# Altium PCB HSADDAModule.PcbDoc (part 5 of 5)
Units mm, origin at the board's own origin, x right, y up, seen from the top; angles counter-clockwise.
Board outline 70 x 95 mm, 6 copper layers (L1 (Sig), L2 (GND), L3 (Sig), L4 (GND), L5 (PWR), L6 (Sig)), stack 1.538 mm thick; 134 components, 217 nets, 999 pads, 792 vias.
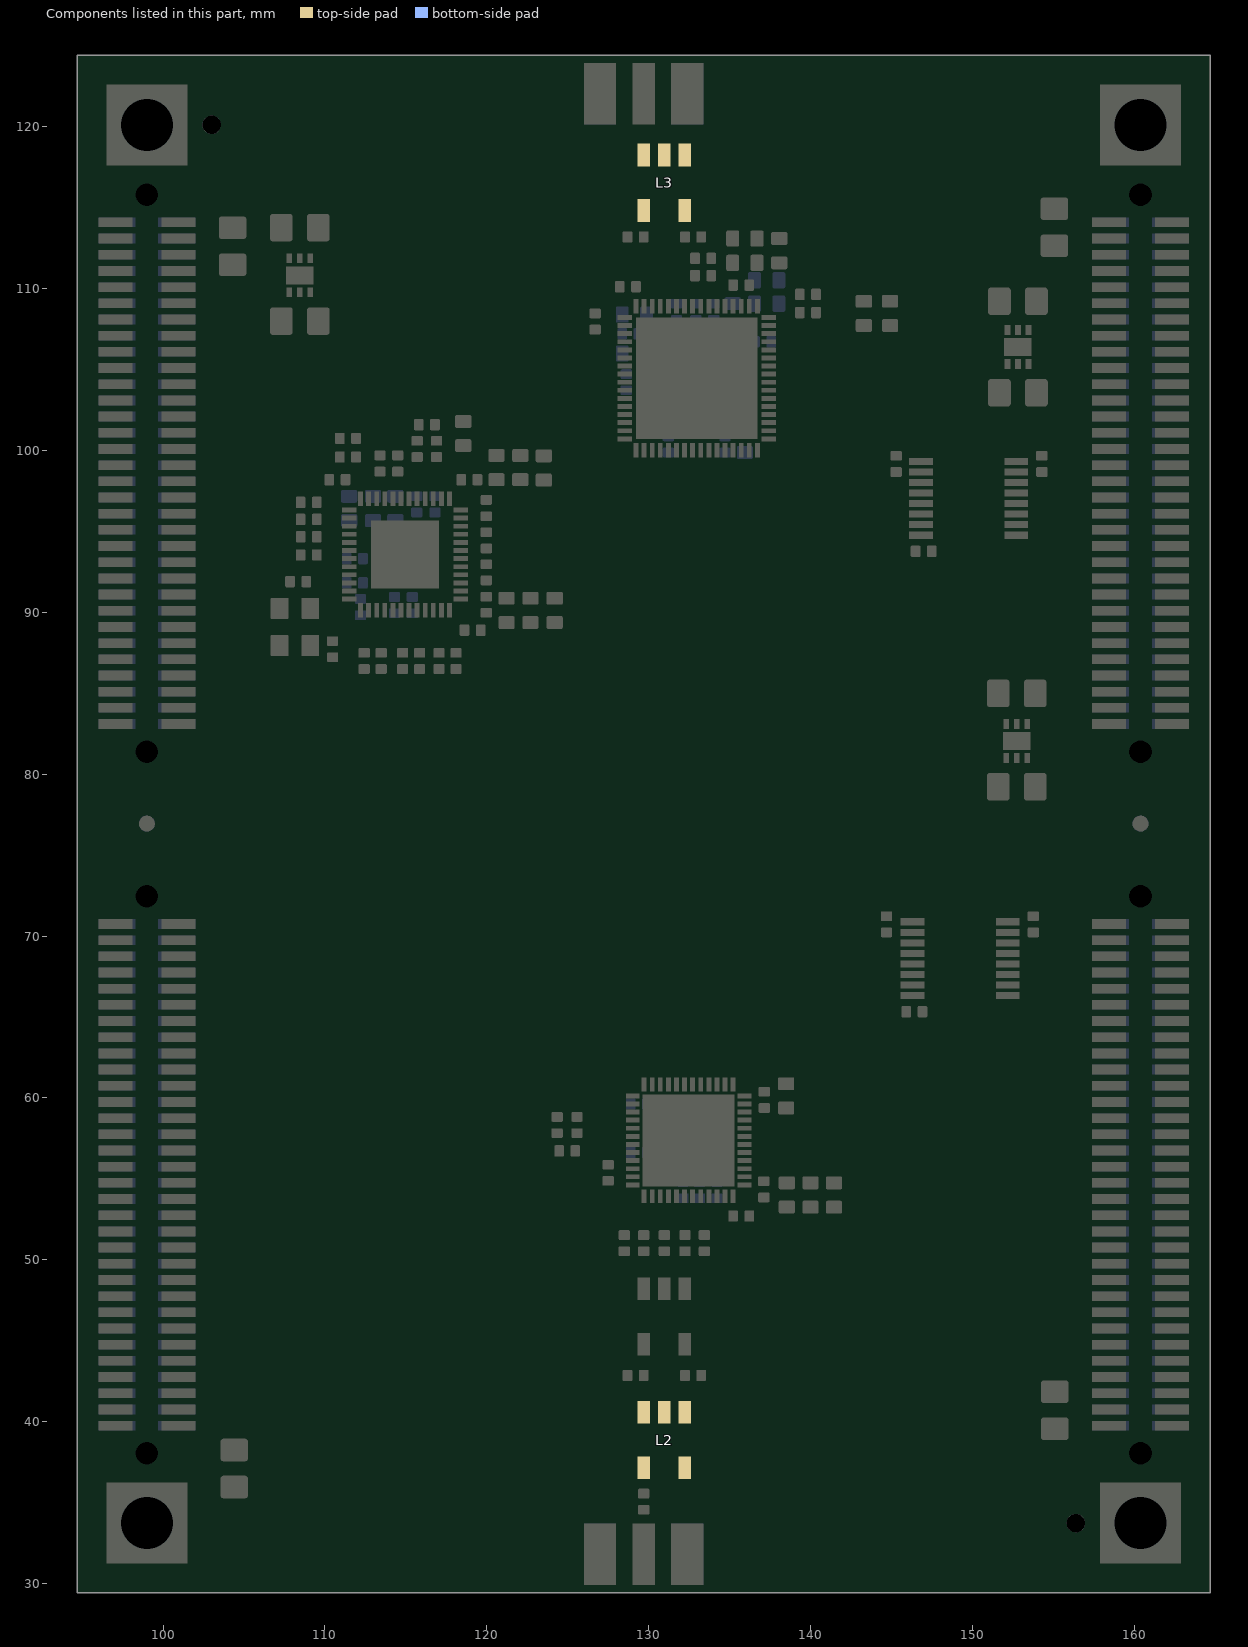
[diagram p9: the components of this part, seen from the top]

## Polygon pours and split planes (outlines as drawn) (continued)
+1V8_ADDA on L5 (PWR) "+1V8_ADDA_L05_P039" (solid, pour order 39): 138.725,109.2 141.175,109.2 141.325,109.05 141.325,107.5 141.125,107.3 141.199,104.276 145.1,100.375 145.1,95.775 146.05,94.825 148.4,94.825 149,94.225 149,93.275 148.625,92.9 145.5,92.9 145.1,92.475 145.1,83.775 148.825,80.05 150.825,80.05 151.15,79.725 151.15,73.125 149.2,71.175 149.2,65.175 148.525,64.5 146.975,64.5 146.6,64.875 146.6,68.575 142.3,68.575 140.35,66.625 140.35,58.95 139.45,58.05 139.075,57.675 139.075,54.575 139.7,53.95 141.575,53.95 142.25,53.275 142.25,52.2 141.475,51.425 139.9,51.425 139.325,52 139.325,52.5 135.675,56.15 135.675,60.6 135,61.275 129.75,61.275 129.175,60.7 129.175,58.225 128.175,57.225 124.475,57.225 123.45,58.25 123.45,67.475 137.425,81.45 137.425,94.25 135.4,96.275 128.85,96.275 127.05,98.075 127.05,104.85 127.275,105.075 128.9,105.075 129.1,104.875 129.1,100.95 129.775,100.275 136.55,100.275 137.575,101.3 137.575,107.6 136.25,108.925 136.25,114.125 136.375,114.25 137.675,114.25 137.95,113.975 137.95,109.975
no net on Top Solder "NONET_L-01_P-001" (solid): 157.85,36.275 157.85,29.725 164.4,29.725 164.4,35.525 163.65,36.275
GND on L2 (GND) "GND_L02_P008" (solid, pour order 8): 95,29.725 95,124.125 164.4,124.125 164.4,29.725
GND on L4 (GND) "GND_L04_P009" (solid, pour order 9): 95,29.725 95,124.125 164.4,124.125 164.4,29.725
GND on L3 (Sig) "GND_L03_P048" (solid, remove dead copper, pour order 48): 95,124.125 164.4,124.125 164.4,29.725 95,29.725

## Other copper
L2 (GND):
  pour cut-out: 128,124.125 128,113.9 133.7,113.9 133.7,124.125
  pour cut-out: 128,29.725 128,49.45 133.7,49.45 133.7,29.725
L3 (Sig):
  pour cut-out: 95,84.8 95.225,84.575 104.3,84.575 105.175,83.7 105.175,80.75 105.775,80.15 106.25,80.15 111,84.9 111,97.225 110.075,98.15 108.3,98.15 105.675,95.525 101.875,95.525 100.875,96.525 100.875,98.3 101.725,99.15 104.775,99.15 107,101.375 107,108.65 109.65,111.3 129.689,111.3 131.6,109.389 131.6,101.9 131.875,101.625 135.025,101.625 138.3,104.9 146.35,104.9 150.2,108.75 154.575,108.75 156.175,107.15 156.175,82.825 154.6,81.25 153.025,81.25 152.45,81.825 152.45,102.725 151.625,103.55 149.825,103.55 148.1,101.825 143.9,101.825 143.175,101.1 143.175,86.425 125.5,68.75 125.5,68.25 125.9,67.85 132.825,67.85 137.025,63.65 137.025,61.15 135.625,59.75 131,59.75 130.575,59.325 130.575,57.15 129.475,56.05 124.75,56.05 107.375,38.675 101.95,38.675 98.775,41.85 95.15,41.85 95,41.7
L6 (Sig):
  pour cut-out: 137.35,114.15 138.95,112.55 138.95,100.175 136.64,97.865 130.51,97.865 128.65,99.725 128.65,113.45 129.35,114.15
  pour cut-out: 128.95,64.1 126.65,61.8 126.65,53.725 128.8,51.575 136.15,51.575 138.375,53.8 138.375,62.4 136.675,64.1
  pour cut-out: 117.2,99.775 119.925,97.05 119.925,91.5 118.35,89.925 111.65,89.925 110.425,91.15 110.425,98.125 112.075,99.775 116.825,99.775

## Silkscreen, mask and mechanical layers (free items; w line width, h text height)
Top Solder:
  text "DAC_OUT" at 137.23,116.528 h1 r90
  text "ADC_IN" at 137.23,30.478 h1 r90
Mechanical 1:
  the board outline again, w0.254

## Text inside footprints (layer, text, board x,y; h text height)
D1: Mechanical 13 "+" at 144.317,109.792 h0.5 r90